# Altium PCB MiniPC.PcbDoc (part 2 of 22) (continued)
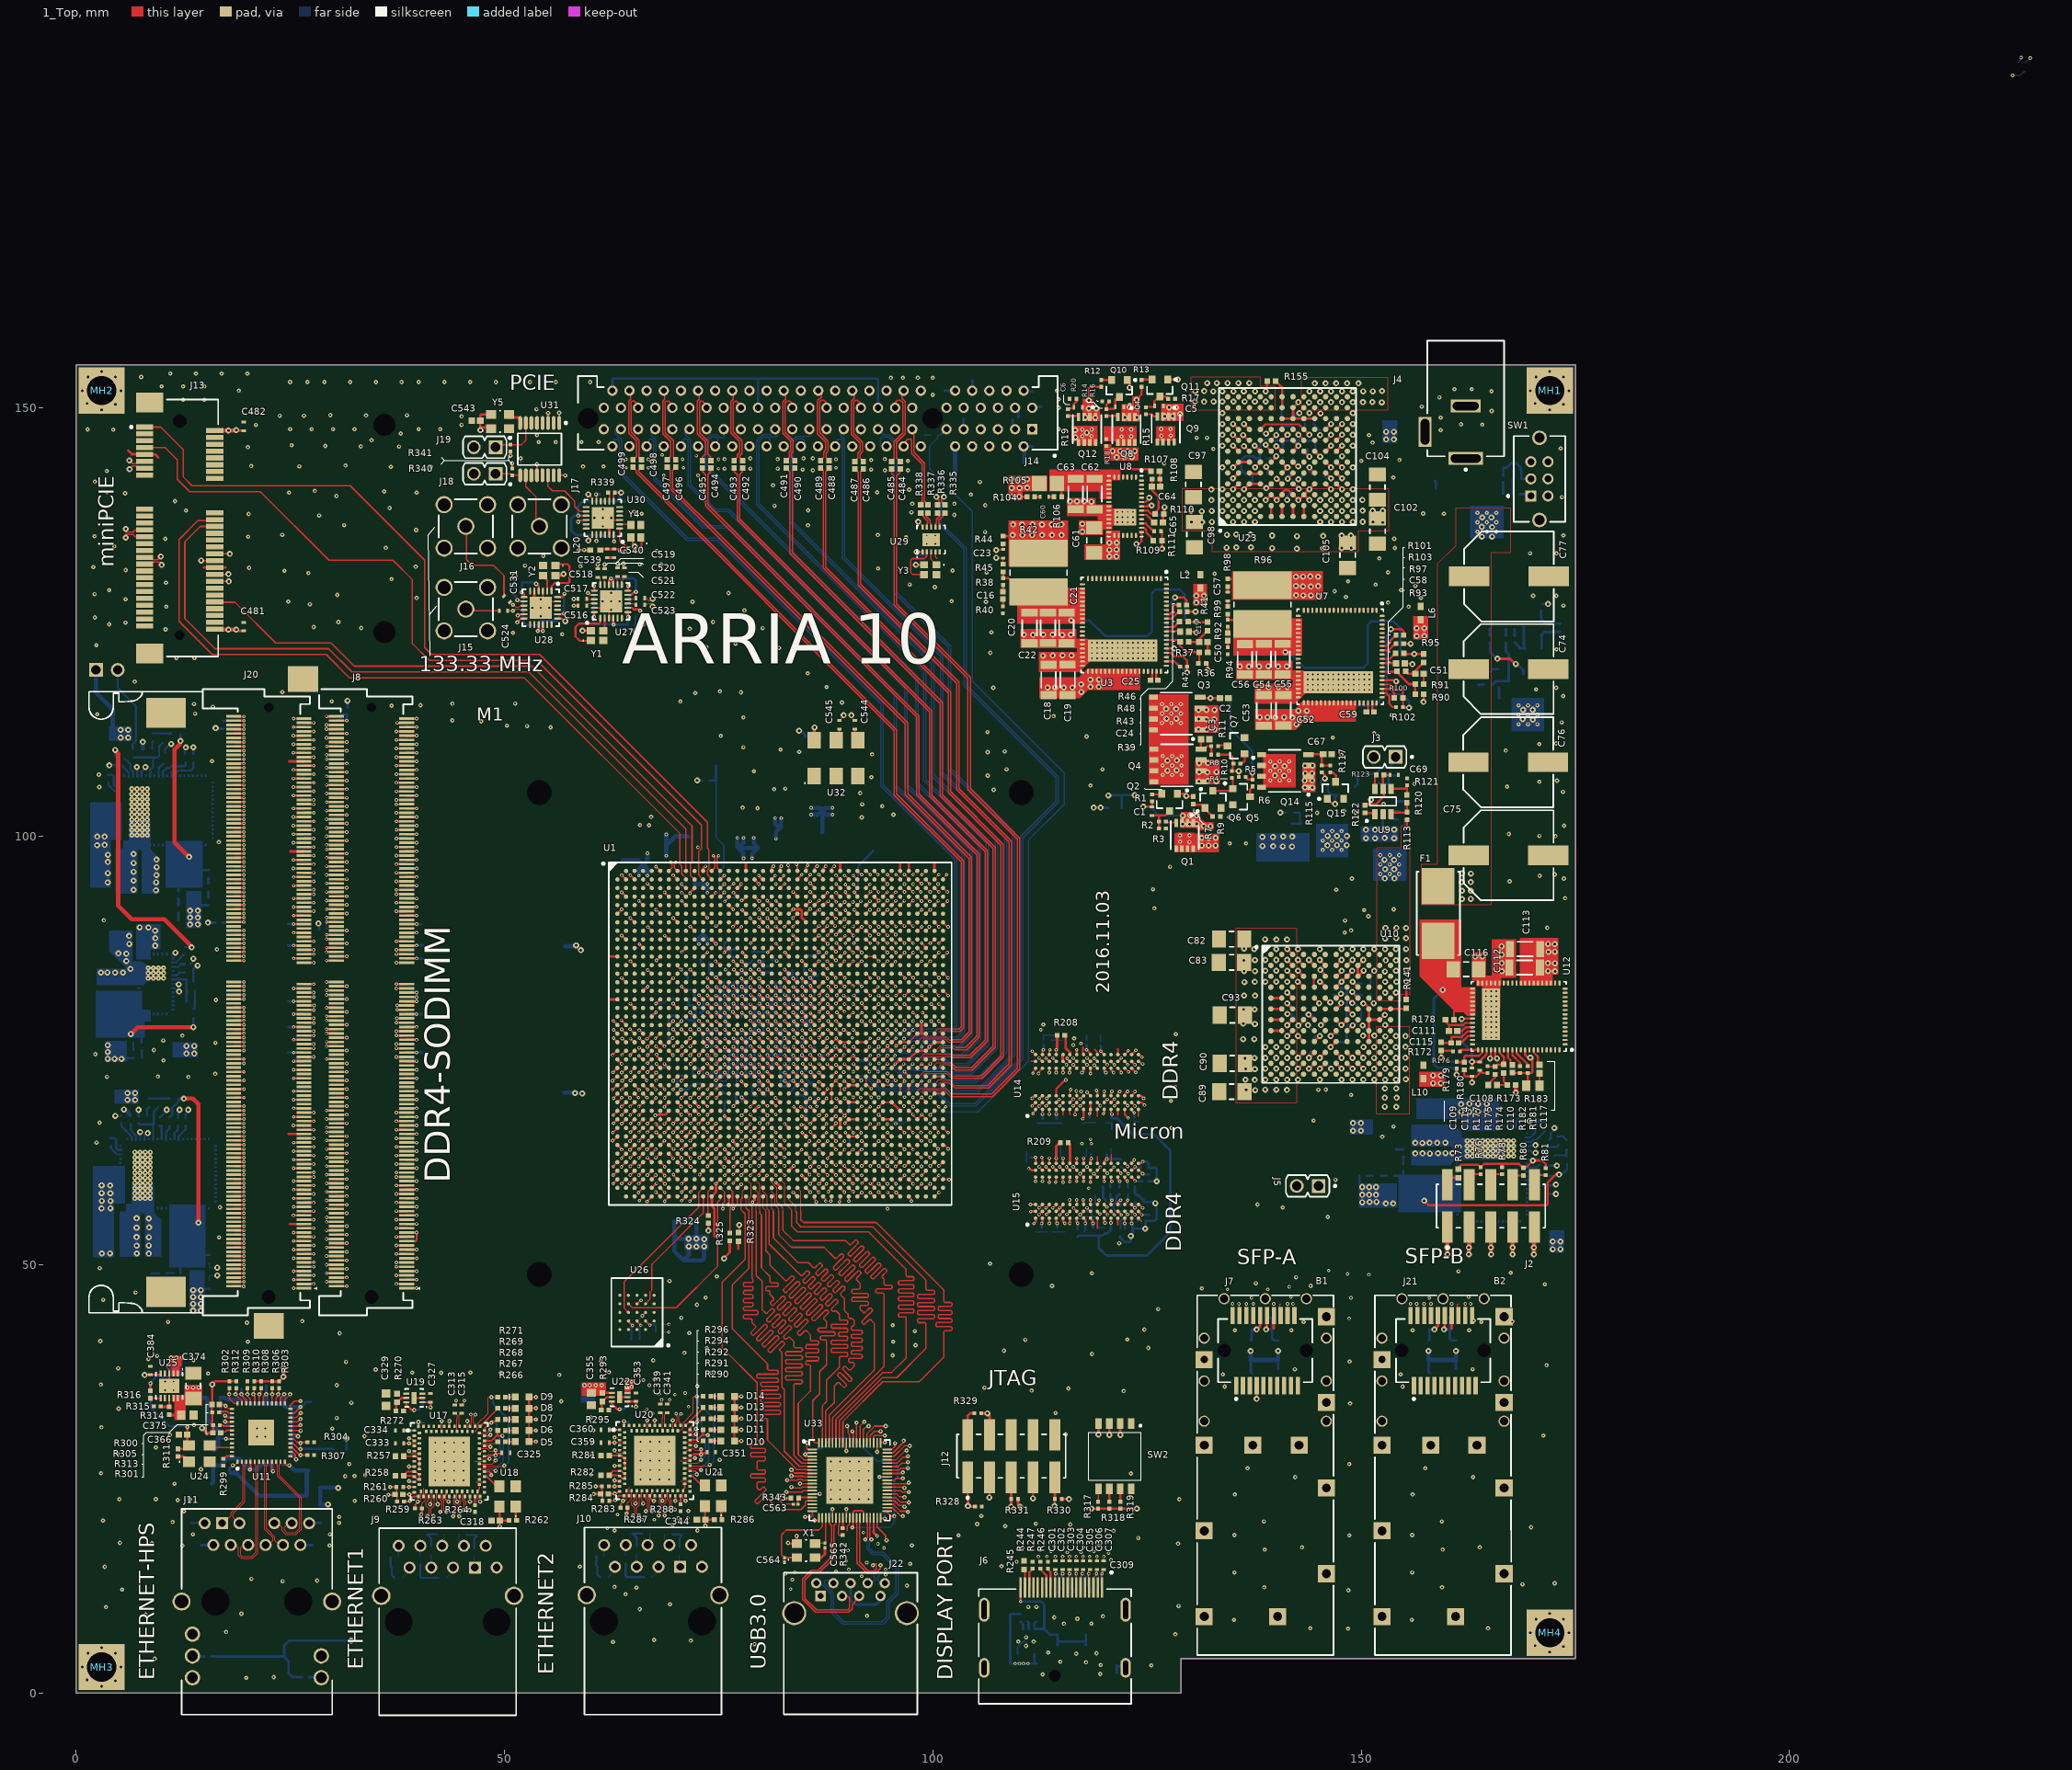
[diagram p0: 1_Top view]
## Components (designator, comment, footprint, x,y, rotation, side; value= is the part's Value field where it differs from the comment) (continued)
C142 "GRM31CR60J107ME39L" CAPC3216X190X55ML30T25 55.625,87.15 r0 bottom locked
C143 "GRM033R60J104KE19D" CAPC0603X33X15LL03T05 79.175,84.425 r270 bottom locked
C144 "GRM033R60J104KE19D" CAPC0603X33X15LL03T05 77.975,82.95 r180 bottom locked
C145 "GRM033R60J104KE19D" CAPC0603X33X15LL03T05 80.1,82.95 r180 bottom locked
C146 "GRM033R60J104KE19D" CAPC0603X33X15LL03T05 80.05,81.975 r180 bottom locked
C147 "GRM31CR60J107ME39L" CAPC3216X190X55ML30T25 72.194,95.939 r270 bottom locked
C148 "GRM31CR60J107ME39L" CAPC3216X190X55ML30T25 68.9,100.4 r270 bottom locked
C149 "GRM31CR60J107ME39L" CAPC3216X190X55ML30T25 79.6,100.1 r270 bottom locked
C150 "GRM31CR60J107ME39L" CAPC3216X190X55ML30T25 77.3,100.1 r270 bottom locked
C151 "GRM31CR60J107ME39L" CAPC3216X190X55ML30T25 68.375,53.375 r0 bottom locked
C152 "GRM31CR60J107ME39L" CAPC3216X190X55ML30T25 71.46,101.45 r270 bottom
C153 "GRM033R60J104KE19D" CAPC0603X33X15LL03T05 73.45,73.95 r0 bottom locked
C154 "GRM033R60J104KE19D" CAPC0603X33X15LL03T05 84.2,73.975 r0 bottom locked
C155 "GRM033R60J104KE19D" CAPC0603X33X15LL03T05 83.075,71.925 r0 bottom locked
C156 "GRM033R60J104KE19D" CAPC0603X33X15LL03T05 85.225,72.85 r90 bottom locked
C157 "GRM033R60J104KE19D" CAPC0603X33X15LL03T05 84.2,72.025 r270 bottom locked
C158 "GRM033R60J104KE19D" CAPC0603X33X15LL03T05 83.2,73.1 r270 bottom locked
C159 "GRM033R60J104KE19D" CAPC0603X33X15LL03T05 79.975,73.975 r180 bottom locked
C160 "GRM033R60J104KE19D" CAPC0603X33X15LL03T05 82.025,75.925 r180 bottom locked
C161 "GRM31CR60J107ME39L" CAPC3216X190X55ML30T25 55.525,70.075 r0 bottom locked
C162 "GRM033R60J104KE19D" CAPC0603X33X15LL03T05 84.175,77.25 r270 bottom locked
C163 "GRM033R60J104KE19D" CAPC0603X33X15LL03T05 79.95,76.925 r180 bottom locked
C164 "GRM033R60J104KE19D" CAPC0603X33X15LL03T05 73.425,76.925 r0 bottom locked
C165 "GRM033R60J104KE19D" CAPC0603X33X15LL03T05 85.225,76.575 r90 bottom locked
C166 "GRM033R60J104KE19D" CAPC0603X33X15LL03T05 83.175,76.675 r90 bottom locked
C167 "GRM033R60J104KE19D" CAPC0603X33X15LL03T05 74.525,76.95 r0 bottom locked
C168 "GRM033R60J104KE19D" CAPC0603X33X15LL03T05 87.55,77.95 r180 bottom locked
C169 "GRM033R60J104KE19D" CAPC0603X33X15LL03T05 87.525,80.95 r180 bottom locked
C170 "GRM033R60J104KE19D" CAPC0603X33X15LL03T05 85.075,82.925 r180 bottom locked
C171 "GRM033R60J104KE19D" CAPC0603X33X15LL03T05 80.975,79.975 r180 bottom locked
C172 "GRM033R60J104KE19D" CAPC0603X33X15LL03T05 85.45,82 r180 bottom locked
C173 "GRM033R60J104KE19D" CAPC0603X33X15LL03T05 80.975,80.925 r180 bottom locked
C174 "GRM033R60J104KE19D" CAPC0603X33X15LL03T05 85.225,79.95 r270 bottom locked
C175 "GRM033R60J104KE19D" CAPC0603X33X15LL03T05 84.2,82.2 r90 bottom locked
C176 "GRM033R60J104KE19D" CAPC0603X33X15LL03T05 81.025,78.975 r180 bottom locked
C177 "GRM033R60J104KE19D" CAPC0603X33X15LL03T05 83.325,77.925 r180 bottom locked
C178 "GRM033R60J104KE19D" CAPC0603X33X15LL03T05 86.4,79 r180 bottom locked
C179 "GRM033R60J104KE19D" CAPC0603X33X15LL03T05 83.275,78.9 r180 bottom locked
C180 "GRM033R60J104KE19D" CAPC0603X33X15LL03T05 87.2,79.575 r90 bottom locked
C181 "GRM033R60J104KE19D" CAPC0603X33X15LL03T05 85.2,78.925 r90 bottom locked
C182 "GRM033R60J104KE19D" CAPC0603X33X15LL03T05 86.175,77.65 r90 bottom locked
C183 "GRM033R60J104KE19D" CAPC0603X33X15LL03T05 84.2,79.025 r90 bottom locked
C184 "GRM033R60J104KE19D" CAPC0603X33X15LL03T05 83.2,81.9 r90 bottom locked
C185 "GRM033R60J104KE19D" CAPC0603X33X15LL03T05 84.6,77.975 r0 bottom locked
C186 "GRM033R60J104KE19D" CAPC0603X33X15LL03T05 88.2,79.625 r90 bottom locked
C187 "GRM033R60J104KE19D" CAPC0603X33X15LL03T05 83.65,80.925 r0 bottom locked
C188 "GRM033R60J104KE19D" CAPC0603X33X15LL03T05 81.95,81.9 r180 bottom locked
C189 "GRM033R60J104KE19D" CAPC0603X33X15LL03T05 87.475,81.95 r180 bottom locked
C190 "GRM033R60J104KE19D" CAPC0603X33X15LL03T05 81.95,82.9 r180 bottom locked
C191 "GRM033R60J104KE19D" CAPC0603X33X15LL03T05 78.95,78.95 r180 bottom locked
C192 "GRM033R60J104KE19D" CAPC0603X33X15LL03T05 86.2,81.25 r270 bottom locked
C193 "GRM033R60J104KE19D" CAPC0603X33X15LL03T05 83.175,83.35 r270 bottom locked
C194 "GRM033R60J104KE19D" CAPC0603X33X15LL03T05 79.975,78.95 r180 bottom locked
C195 "GRM033R60J104KE19D" CAPC0603X33X15LL03T05 83.225,71.075 r90 bottom locked
C196 "GRM033R60J104KE19D" CAPC0603X33X15LL03T05 78.1,75.95 r180 bottom locked
C197 "GRM033R60J104KE19D" CAPC0603X33X15LL03T05 75.15,72.825 r90 bottom locked
C198 "GRM033R60J104KE19D" CAPC0603X33X15LL03T05 73.425,71.875 r0 bottom locked
C199 "GRM033R60J104KE19D" CAPC0603X33X15LL03T05 75.85,71.875 r180 bottom locked
C200 "GRM033R60J104KE19D" CAPC0603X33X15LL03T05 82.225,71.1 r90 bottom locked
C201 "GRM033R60J104KE19D" CAPC0603X33X15LL03T05 86,79.975 r0 bottom locked
C202 "GRM033R60J104KE19D" CAPC0603X33X15LL03T05 85.2,81.2 r90 bottom locked
C203 "GRM033R60J104KE19D" CAPC0603X33X15LL03T05 82.05,77.975 r180 bottom locked
C204 "GRM033R60J104KE19D" CAPC0603X33X15LL03T05 79.175,82.425 r270 bottom locked
C205 "GRM033R60J104KE19D" CAPC0603X33X15LL03T05 77.925,78.95 r180 bottom locked
C206 "GRM033R60J104KE19D" CAPC0603X33X15LL03T05 75.95,80.9 r180 bottom locked
C207 "GRM033R60J104KE19D" CAPC0603X33X15LL03T05 76.925,81.9 r180 bottom locked
C208 "GRM033R60J104KE19D" CAPC0603X33X15LL03T05 77,75.95 r180 bottom locked
C209 "GRM033R60J104KE19D" CAPC0603X33X15LL03T05 78.925,76.925 r180 bottom locked
C210 "GRM033R60J104KE19D" CAPC0603X33X15LL03T05 76.975,74.925 r180 bottom locked
C211 "GRM033R60J104KE19D" CAPC0603X33X15LL03T05 75.875,72.9 r180 bottom locked
C212 "GRM033R60J104KE19D" CAPC0603X33X15LL03T05 76.9,72.925 r180 bottom locked
C213 "GRM033R60J104KE19D" CAPC0603X33X15LL03T05 78.95,72.95 r180 bottom locked
C214 "GRM033R60J104KE19D" CAPC0603X33X15LL03T05 81.025,74.95 r180 bottom locked
C215 "GRM033R60J104KE19D" CAPC0603X33X15LL03T05 87.65,75.925 r180 bottom locked
C216 "GRM033R60J104KE19D" CAPC0603X33X15LL03T05 86.225,75.125 r90 bottom locked
C217 "GRM033R60J104KE19D" CAPC0603X33X15LL03T05 87.55,76.925 r180 bottom locked
C218 "GRM033R60J104KE19D" CAPC0603X33X15LL03T05 74.925,78.925 r180 bottom locked
C219 "GRM033R60J104KE19D" CAPC0603X33X15LL03T05 74.525,75.95 r0 bottom locked
C220 "GRM033R60J104KE19D" CAPC0603X33X15LL03T05 73.7,81.925 r0 bottom locked
C221 "GRM033R60J104KE19D" CAPC0603X33X15LL03T05 74.875,81.925 r180 bottom locked
C222 "GRM033R60J104KE19D" CAPC0603X33X15LL03T05 79.075,75 r180 bottom locked
C223 "GRM033R60J104KE19D" CAPC0603X33X15LL03T05 87.65,71.95 r180 bottom locked
C224 "GRM033R60J104KE19D" CAPC0603X33X15LL03T05 82.025,76.975 r180 bottom locked
C225 "GRM033R60J104KE19D" CAPC0603X33X15LL03T05 76.875,71.9 r180 bottom locked
C226 "GRM033R60J104KE19D" CAPC0603X33X15LL03T05 77.925,72.925 r180 bottom locked
C227 "GRM033R60J104KE19D" CAPC0603X33X15LL03T05 83.2,75.025 r90 bottom locked
C228 "GRM033R60J104KE19D" CAPC0603X33X15LL03T05 87.625,74.925 r180 bottom locked
C229 "GRM033R60J104KE19D" CAPC0603X33X15LL03T05 87.65,73.95 r0 bottom locked
C230 "GRM033R60J104KE19D" CAPC0603X33X15LL03T05 84.375,74.95 r180 bottom locked
C231 "GRM033R60J104KE19D" CAPC0603X33X15LL03T05 73.675,80.95 r0 bottom locked
C232 "GRM033R60J104KE19D" CAPC0603X33X15LL03T05 78.6,80.925 r0 bottom locked
C233 "GRM033R60J104KE19D" CAPC0603X33X15LL03T05 79.925,80.95 r180 bottom locked
C234 "GRM033R60J104KE19D" CAPC0603X33X15LL03T05 73.8,78.975 r0 bottom locked
C235 "GRM033R60J104KE19D" CAPC0603X33X15LL03T05 75.9,82.9 r180 bottom locked
C236 "GRM033R60J104KE19D" CAPC0603X33X15LL03T05 77.9,76.925 r180 bottom locked
C237 "GRM033R60J104KE19D" CAPC0603X33X15LL03T05 74.475,73.95 r0 bottom locked
C238 "GRM033R60J104KE19D" CAPC0603X33X15LL03T05 74.525,71.925 r0 bottom locked
C239 "GRM033R60J104KE19D" CAPC0603X33X15LL03T05 78,74.9 r180 bottom locked
C240 "GRM033R60J104KE19D" CAPC0603X33X15LL03T05 73.45,75.925 r0 bottom locked
C241 "GRM033R60J104KE19D" CAPC0603X33X15LL03T05 74.9,80.925 r180 bottom locked
C242 "GRM033R60J104KE19D" CAPC0603X33X15LL03T05 77.975,81.925 r180 bottom locked
C243 "GRM033R60J104KE19D" CAPC0603X33X15LL03T05 75.9,81.9 r180 bottom locked
C244 "GRM033R60J104KE19D" CAPC0603X33X15LL03T05 73.725,79.95 r0 bottom locked
C245 "GRM033R60J104KE19D" CAPC0603X33X15LL03T05 74.875,79.925 r180 bottom locked
C246 "GRM033R60J104KE19D" CAPC0603X33X15LL03T05 75.95,79.9 r180 bottom locked
C247 "GRM033R60J104KE19D" CAPC0603X33X15LL03T05 76,78.9 r180 bottom locked
C248 "GRM033R60J104KE19D" CAPC0603X33X15LL03T05 75.5,77.925 r0 bottom locked
C249 "GRM033R60J104KE19D" CAPC0603X33X15LL03T05 82.05,74.975 r180 bottom locked
C250 "GRM033R60J104KE19D" CAPC0603X33X15LL03T05 77.9,71.9 r180 bottom locked
C251 "GRM033R60J104KE19D" CAPC0603X33X15LL03T05 78.925,71.95 r180 bottom locked
C252 "GRM033R60J104KE19D" CAPC0603X33X15LL03T05 79.975,72.95 r180 bottom locked
C253 "GRM033R60J104KE19D" CAPC0603X33X15LL03T05 82.2,72.175 r90 bottom locked
C254 "GRM033R60J104KE19D" CAPC0603X33X15LL03T05 84.45,75.95 r180 bottom locked
C255 "GRM033R60J104KE19D" CAPC0603X33X15LL03T05 81.125,72.975 r180 bottom locked
C256 "GRM033R60J104KE19D" CAPC0603X33X15LL03T05 76.925,82.9 r180 bottom locked
C257 "GRM033R60J104KE19D" CAPC0603X33X15LL03T05 76,76.9 r180 bottom locked
C258 "GRM033R60J104KE19D" CAPC0603X33X15LL03T05 74.225,74.908 r0 bottom locked
C259 "GRM033R60J104KE19D" CAPC0603X33X15LL03T05 86.2,72.475 r90 bottom locked
C260 "GRM033R60J104KE19D" CAPC0603X33X15LL03T05 84.2,73.025 r90 bottom locked
C261 "GRM033R60J104KE19D" CAPC0603X33X15LL03T05 87.65,72.9 r180 bottom locked
C262 "GRM033R60J104KE19D" CAPC0603X33X15LL03T05 85.2,74.475 r270 bottom locked
C263 "GRM033R60J104KE19D" CAPC0603X33X15LL03T05 86.45,73.975 r180 bottom locked
C264 "GRM033R60J104KE19D" CAPC0603X33X15LL03T05 112.85,66.75 r90 bottom locked
C265 "GRM033R60J104KE19D" CAPC0603X33X15LL03T05 112.725,54.05 r90 bottom locked
C266 "GRM033R60J104KE19D" CAPC0603X33X15LL03T05 120.9,66.8 r90 bottom locked
C267 "GRM033R60J104KE19D" CAPC0603X33X15LL03T05 117.65,53.625 r270 bottom locked
C268 "GRM033R60J104KE19D" CAPC0603X33X15LL03T05 118.3,66.85 r90 bottom locked
C269 "GRM033R60J104KE19D" CAPC0603X33X15LL03T05 111.2,62.5 r0 bottom locked
C270 "GRM033R60J104KE19D" CAPC0603X33X15LL03T05 112.95,75.9 r270 bottom locked
C271 "GRM033R60J104KE19D" CAPC0603X33X15LL03T05 114.5,54.075 r90 bottom locked
C272 "GRM033R60J104KE19D" CAPC0603X33X15LL03T05 119.6,75.75 r270 bottom locked
C273 "GRM033R60J104KE19D" CAPC0603X33X15LL03T05 118.2,62.9 r0 bottom locked
C274 "GRM033R60J104KE19D" CAPC0603X33X15LL03T05 123.5,66.925 r90 bottom locked
C275 "GRM033R60J104KE19D" CAPC0603X33X15LL03T05 114.65,62.95 r180 bottom locked
C276 "GRM033R60J104KE19D" CAPC0603X33X15LL03T05 114.425,75.9 r270 bottom locked
C277 "GRM033R60J104KE19D" CAPC0603X33X15LL03T05 120.575,62.825 r180 bottom locked
C278 "GRM033R60J104KE19D" CAPC0603X33X15LL03T05 117.95,75.85 r270 bottom locked
C279 "GRM033R60J104KE19D" CAPC0603X33X15LL03T05 118.975,54.3 r180 bottom locked
C280 "GRM033R60J104KE19D" CAPC0603X33X15LL03T05 114.45,66.75 r90 bottom locked
C281 "GRM033R60J104KE19D" CAPC0603X33X15LL03T05 118.325,56.175 r180 bottom locked
C282 "GRM033R60J104KE19D" CAPC0603X33X15LL03T05 120.43,54.3 r0 bottom
C283 "C1005X7R1E104M" CAPC1005X55X10LL05 24.257,89.764 r180 bottom
C284 "C1005X7R1E104M" CAPC1005X55X10LL05 24.257,87.249 r180 bottom
C285 "C1005X7R1E104M" CAPC1005X55X10LL05 24.282,80.721 r180 bottom
C286 "C1005X7R1E104M" CAPC1005X55X10LL05 24.308,77.724 r180 bottom
C287 "C1005X7R1E104M" CAPC1005X55X10LL05 24.282,74.727 r180 bottom
C288 "C1005X7R1E104M" CAPC1005X55X10LL05 30.025,90.4 r270 bottom
C289 "C1005X7R1E104M" CAPC1005X55X10LL05 30.9,113 r270 bottom locked
C290 "C1005X7R1E104M" CAPC1005X55X10LL05 40.792,89.713 r0 bottom
C291 "C1005X7R1E104M" CAPC1005X55X10LL05 40.996,85.674 r0 bottom
C292 "C1005X7R1E104M" CAPC1005X55X10LL05 40.894,74.752 r0 bottom
C293 "C1005X7R1E104M" CAPC1005X55X10LL05 40.818,79.223 r0 bottom
C294 "C1005X7R1E104M" CAPC1005X55X10LL05 40.97,87.249 r0 bottom
C295 "C1005X7R1E104M" CAPC1005X55X10LL05 18.87,89.5 r270 bottom locked
C296 "C1005X7R1E104M" CAPC1005X55X10LL05 18.87,113 r270 bottom locked
C297 "GRM188R61A225KE34x" CAPC1608X90X35ML10T15 112.85,3.4 r0 bottom locked
C298 "C1005X7R1E104M" CAPC1005X55X10LL05 112.05,8.8 r270 bottom locked
C299 "C1005X7R1E104M" CAPC1005X55X10LL05 114.6,5.075 r90 bottom
C300 "C1005X7R1E104M" CAPC1005X55X10LL05 117.85,5.05 r90 bottom
C301 "C1005X7R1E104M" CAPC1005X55X10LL05 114.3,14.9 r270 top
C302 "C1005X7R1E104M" CAPC1005X55X10LL05 115.15,14.9 r270 top
C303 "C1005X7R1E104M" CAPC1005X55X10LL05 115.95,14.9 r270 top
C304 "C1005X7R1E104M" CAPC1005X55X10LL05 116.75,14.9 r270 top
C305 "C1005X7R1E104M" CAPC1005X55X10LL05 117.55,14.9 r270 top
C306 "C1005X7R1E104M" CAPC1005X55X10LL05 118.35,14.9 r270 top
C307 "C1005X7R1E104M" CAPC1005X55X10LL05 119.15,14.9 r270 top
C308 "GRM155R71H472KA01D" CAPC1005X55X25NL05T10 121.05,2.3 r0 bottom locked
C309 "C1005X7R1E104M" CAPC1005X55X10LL05 119.95,14.9 r270 top
C310 "GRM155R71H103KA88D" CAPC1005X55X25ML05T10 46.774,18.912 r90 bottom
C311 "GRM155R71H103KA88D" CAPC1005X55X25ML05T10 40.574,18.512 r180 bottom
C312 "GRM155R71H103KA88D" CAPC1005X55X25ML05T10 40.174,13.012 r270 bottom
C313 "C1005X7R1E104M" CAPC1005X55X10LL05 44.224,33.112 r270 top
C314 "GRM155R71H103KA88D" CAPC1005X55X25ML05T10 36.374,14.612 r180 bottom
C315 "C1005X7R1E104M" CAPC1005X55X10LL05 45.024,33.112 r270 top
C316 "C1005X7R1E104M" CAPC1005X55X10LL05 227.514,189.812 r270 bottom
C317 "C1005X7R1E104M" CAPC1005X55X10LL05 226.689,189.837 r270 bottom
C318 "GRM155R71H103KA88D" CAPC1005X55X25ML05T10 48.974,20.112 r0 top
C319 "C1005X7R1E104M" CAPC1005X55X10LL05 41.074,31.512 r180 bottom
C320 "C1005X7R1E104M" CAPC1005X55X10LL05 39.974,30.312 r90 bottom
C321 "C1005X7R1E104M" CAPC1005X55X10LL05 47.174,30.412 r0 bottom
C322 "C1005X7R1E104M" CAPC1005X55X10LL05 40.074,24.712 r180 bottom
C323 "C1005X7R1E104M" CAPC1005X55X10LL05 43.974,23.312 r270 bottom
C324 "C1005X7R1E104M" CAPC1005X55X10LL05 46.574,23.212 r270 bottom
C325 "C1005X7R1E104M" CAPC1005X55X10LL05 50.174,28.012 r180 top
C326 "C1005X7R1E104M" CAPC1005X55X10LL05 42.674,30.612 r90 bottom
C327 "CGB2A1X5R1E105K033BC" CAPC1005X33X10LL5 41.374,34.412 r270 top
C328 "GRM31CR61E226KE15L" CAPC3216X180X55ML20T25 37.249,34.412 r180 bottom
C329 "GRM188R61A225KE34x" CAPC1608X90X35ML10T15 36.174,34.212 r90 top
C330 "C2012X5R1C106K085AC" CAPC2013X100X20NL20 41.499,34.512 r180 bottom
C331 "C1005X7R1E104M" CAPC1005X55X10LL05 43.574,30.512 r90 bottom
C332 "C1005X7R1E104M" CAPC1005X55X10LL05 47.174,29.512 r0 bottom
C333 "C1005X7R1E104M" CAPC1005X55X10LL05 37.774,29.112 r0 top
C334 "C1005X7R1E104M" CAPC1005X55X10LL05 37.774,30.612 r0 top
C335 "C1005X7R1E104M" CAPC1005X55X10LL05 47.274,25.412 r0 bottom
C336 "GRM155R71H103KA88D" CAPC1005X55X25ML05T10 70.75,19 r90 bottom locked
C337 "GRM155R71H103KA88D" CAPC1005X55X25ML05T10 64.55,18.6 r180 bottom locked
C338 "GRM155R71H103KA88D" CAPC1005X55X25ML05T10 64.15,13.1 r270 bottom locked
C339 "C1005X7R1E104M" CAPC1005X55X10LL05 68.2,33.2 r270 top
C340 "GRM155R71H103KA88D" CAPC1005X55X25ML05T10 60.35,14.7 r180 bottom locked
C341 "C1005X7R1E104M" CAPC1005X55X10LL05 69,33.2 r270 top
C342 "C1005X7R1E104M" CAPC1005X55X10LL05 97.15,67.4 r270 bottom
C343 "C1005X7R1E104M" CAPC1005X55X10LL05 96.325,67.425 r270 bottom
C344 "GRM155R71H103KA88D" CAPC1005X55X25ML05T10 72.95,20.2 r0 top
C345 "C1005X7R1E104M" CAPC1005X55X10LL05 65.05,31.6 r180 bottom locked
C346 "C1005X7R1E104M" CAPC1005X55X10LL05 63.95,30.4 r90 bottom locked
C347 "C1005X7R1E104M" CAPC1005X55X10LL05 71.15,30.5 r0 bottom locked
C348 "C1005X7R1E104M" CAPC1005X55X10LL05 64.05,24.8 r180 bottom locked
C349 "C1005X7R1E104M" CAPC1005X55X10LL05 67.95,23.4 r270 bottom locked
C350 "C1005X7R1E104M" CAPC1005X55X10LL05 70.55,23.3 r270 bottom locked
C351 "C1005X7R1E104M" CAPC1005X55X10LL05 74.15,28.1 r180 top
C352 "C1005X7R1E104M" CAPC1005X55X10LL05 66.65,30.7 r90 bottom locked
C353 "CGB2A1X5R1E105K033BC" CAPC1005X33X10LL5 65.35,34.5 r270 top
C354 "GRM31CR61E226KE15L" CAPC3216X180X55ML20T25 61.225,34.5 r180 bottom locked
C355 "GRM188R61A225KE34x" CAPC1608X90X35ML10T15 60.15,34.3 r90 top
C356 "C2012X5R1C106K085AC" CAPC2013X100X20NL20 65.475,34.6 r180 bottom locked
C357 "C1005X7R1E104M" CAPC1005X55X10LL05 67.55,30.6 r90 bottom locked
C358 "C1005X7R1E104M" CAPC1005X55X10LL05 71.15,29.6 r0 bottom locked
C359 "C1005X7R1E104M" CAPC1005X55X10LL05 61.75,29.2 r0 top
C360 "C1005X7R1E104M" CAPC1005X55X10LL05 61.75,30.7 r0 top
C361 "C1005X7R1E104M" CAPC1005X55X10LL05 71.25,25.5 r0 bottom locked
C362 "GRM155R71H103KA88D" CAPC1005X55X25ML05T10 13.087,19.825 r0 bottom locked
C363 "GRM155R71H103KA88D" CAPC1005X55X25ML05T10 14.087,17.225 r0 bottom locked
C364 "GRM155R71H103KA88D" CAPC1005X55X25ML05T10 28.097,17.225 r180 bottom locked
C365 "GRM155R71H103KA88D" CAPC1005X55X25ML05T10 29.097,19.825 r180 bottom locked
C366 "GRM155R71H103KA88D" CAPC1005X55X25ML05T10 12.497,30.125 r0 top
C367 "GRM31CR61E226KE15L" CAPC3216X180X55ML20T25 13.697,35.825 r270 bottom locked
C368 "GRM188R61A225KE34x" CAPC1608X90X35ML10T15 15.837,29.7 r0 bottom locked
C369 "C1005X7R1E104M" CAPC1005X55X10LL05 18.7,29.65 r180 bottom locked
C370 "C2012X5R1C106K085AC" CAPC2013X100X20NL20 10.597,37.925 r0 bottom locked
C371 "GRM31CR61E226KE15L" CAPC3216X180X55ML20T25 14.397,24.425 r0 bottom locked
C372 "GRM188R61A225KE34x" CAPC1608X90X35ML10T15 22.897,27.425 r270 bottom locked
C373 "C1005X7R1E104M" CAPC1005X55X10LL05 20.297,27.825 r270 bottom locked
C374 "GRM31CR61E226KE15L" CAPC3216X180X55ML20T25 13.687,35.825 r270 top
C375 "GRM188R61A225KE34x" CAPC1608X90X35ML10T15 12.997,32.425 r180 top
C376 "C2012X5R1C106K085AC" CAPC2013X100X20NL20 30.8,23.95 r180 bottom locked
C377 "C2012X5R1C106K085AC" CAPC2013X100X20NL20 29.6,21.95 r180 bottom locked
C378 "GRM31CR61E226KE15L" CAPC3216X180X55ML20T25 28.6,25.95 r180 bottom locked
C379 "GRM188R61A225KE34x" CAPC1608X90X35ML10T15 17.897,24.925 r90 bottom locked
C380 "C1005X7R1E104M" CAPC1005X55X10LL05 24.097,27.125 r270 bottom locked
C381 "GRM31CR61E226KE15L" CAPC3216X180X55ML20T25 28.9,33.95 r180 bottom locked
C382 "GRM188R61A225KE34x" CAPC1608X90X35ML10T15 22.2,36.55 r270 bottom locked
C383 "C1005X7R1E104M" CAPC1005X55X10LL05 18.6,32.25 r180 bottom locked
C384 "CGB2A1X5R1E105K033BC" CAPC1005X33X10LL5 8.697,37.625 r270 top
C385 "GRM31CR61E226KE15L" CAPC3216X180X55ML20T25 28.1,29.95 r270 bottom locked
C386 "GRM188R61A225KE34x" CAPC1608X90X35ML10T15 19.1,31.15 r180 bottom locked
C387 "C1005X7R1E104M" CAPC1005X55X10LL05 19.3,35.95 r90 bottom locked
C388 "C1005X7R1E104M" CAPC1005X55X10LL05 65.3,41.2 r180 bottom locked
C389 "C1005X7R1E104M" CAPC1005X55X10LL05 65.3,42.1 r180 bottom locked
C390 "T520B337M2R5ATE045" KEMT-520-B-2_M 94.52,98.28 r0 bottom
C391 "GRM033R60J104KE19D" CAPC0603X33X15LL03T05 89.8,86.925 r0 bottom locked
C392 "GRM033R60J104KE19D" CAPC0603X33X15LL03T05 89.875,78.925 r0 bottom locked
C393 "GRM033R60J104KE19D" CAPC0603X33X15LL03T05 90.2,77.3 r270 bottom locked
C394 "GRM033R60J104KE19D" CAPC0603X33X15LL03T05 90.2,62.5 r90 bottom locked
C395 "GRM033R60J104KE19D" CAPC0603X33X15LL03T05 91.2,88.5 r90 bottom locked
C396 "GRM033R60J104KE19D" CAPC0603X33X15LL03T05 90.2,81.5 r270 bottom locked
C397 "GRM033R60J104KE19D" CAPC0603X33X15LL03T05 90.2,70.4 r90 bottom locked
C398 "GRM033R60J104KE19D" CAPC0603X33X15LL03T05 90.6,64.9 r180 bottom locked
C399 "GRM033R60J104KE19D" CAPC0603X33X15LL03T05 90.2,90.5 r90 bottom locked
C400 "GRM033R60J104KE19D" CAPC0603X33X15LL03T05 89.8,82.9 r0 bottom locked
C401 "GRM033R60J104KE19D" CAPC0603X33X15LL03T05 90.2,72.5 r90 bottom locked
C402 "GRM033R60J104KE19D" CAPC0603X33X15LL03T05 90.5,66.939 r180 bottom locked
C403 "GRM033R60J104KE19D" CAPC0603X33X15LL03T05 90.2,92.5 r90 bottom locked
C404 "GRM033R60J104KE19D" CAPC0603X33X15LL03T05 90.2,84.5 r90 bottom locked
C405 "GRM033R60J104KE19D" CAPC0603X33X15LL03T05 90.2,74.6 r90 bottom locked
C406 "GRM033R60J104KE19D" CAPC0603X33X15LL03T05 90.5,68.9 r180 bottom locked
C407 "GRM155R60J475ME87D" CAPC1005X55X25LL05T10 91.7,94 r180 bottom locked
C408 "GRM155R60J475ME87D" CAPC1005X55X25LL05T10 92.3,85.5 r270 bottom locked
C409 "GRM155R60J475ME87D" CAPC1005X55X25LL05T10 91.2,76.5 r90 bottom locked
C410 "GRM155R60J475ME87D" CAPC1005X55X25LL05T10 90.6,68 r180 bottom locked
C411 "GRM155R60J475ME87D" CAPC1005X55X25LL05T10 91.8,87 r180 bottom locked
C412 "GRM155R60J475ME87D" CAPC1005X55X25LL05T10 91.2,83.5 r270 bottom locked
C413 "GRM155R60J475ME87D" CAPC1005X55X25LL05T10 91.7,74.9 r180 bottom locked
C414 "GRM155R60J475ME87D" CAPC1005X55X25LL05T10 92.7,63.9 r180 bottom locked
C415 "GRM155R60J475ME87D" CAPC1005X55X25LL05T10 91.8,90.9 r180 bottom locked
C416 "GRM155R60J475ME87D" CAPC1005X55X25LL05T10 91.8,81.8 r180 bottom locked
C417 "GRM155R60J475ME87D" CAPC1005X55X25LL05T10 91.4,73.4 r270 bottom locked
C418 "GRM155R60J475ME87D" CAPC1005X55X25LL05T10 90.7,64 r180 bottom locked
C419 "GRM155R60J475ME87D" CAPC1005X55X25LL05T10 91.75,93 r180 bottom locked
C420 "GRM155R60J475ME87D" CAPC1005X55X25LL05T10 92.3,79.4 r270 bottom locked
C421 "GRM155R60J475ME87D" CAPC1005X55X25LL05T10 89.1,70.5 r90 bottom locked
C422 "GRM155R60J475ME87D" CAPC1005X55X25LL05T10 91.7,62.699 r180 bottom locked
C423 "GRM31CR60J107ME39L" CAPC3216X190X55ML30T25 122.025,106.25 r270 bottom locked
C424 "GRM033R60J104KE19D" CAPC0603X33X15LL03T05 83.15,73.95 r180 bottom
C425 "GRM033R60J104KE19D" CAPC0603X33X15LL03T05 89.2,68.5 r90 bottom locked
C426 "GRM033R60J104KE19D" CAPC0603X33X15LL03T05 75.95,74.875 r180 bottom locked
C427 "GRM033R60J104KE19D" CAPC0603X33X15LL03T05 78,79.95 r180 bottom locked
C428 "GRM033R60J104KE19D" CAPC0603X33X15LL03T05 75.95,73.85 r180 bottom locked
C429 "GRM033R60J104KE19D" CAPC0603X33X15LL03T05 78.95,73.975 r180 bottom locked
C430 "GRM033R60J104KE19D" CAPC0603X33X15LL03T05 77.925,73.95 r180 bottom locked
C431 "GRM033R60J104KE19D" CAPC0603X33X15LL03T05 89.22,88.49 r90 bottom locked
C432 "GRM033R60J104KE19D" CAPC0603X33X15LL03T05 88.8,84.9 r0 bottom locked
C433 "GRM033R60J104KE19D" CAPC0603X33X15LL03T05 89.225,76.45 r90 bottom locked
C434 "GRM033R60J104KE19D" CAPC0603X33X15LL03T05 79.95,71.95 r180 bottom locked
C435 "GRM033R60J104KE19D" CAPC0603X33X15LL03T05 83.2,80.175 r270 bottom locked
C436 "GRM033R60J104KE19D" CAPC0603X33X15LL03T05 84.2,80.15 r270 bottom locked
C437 "GRM033R60J104KE19D" CAPC0603X33X15LL03T05 81.125,73.975 r180 bottom locked
C438 "GRM033R60J104KE19D" CAPC0603X33X15LL03T05 79.075,79.9 r180 bottom locked
C439 "GRM033R60J104KE19D" CAPC0603X33X15LL03T05 82.05,80.925 r180 bottom locked
C440 "GRM033R60J104KE19D" CAPC0603X33X15LL03T05 76.975,79.95 r180 bottom locked
C441 "GRM033R60J104KE19D" CAPC0603X33X15LL03T05 81,77.95 r180 bottom locked
C442 "GRM033R60J104KE19D" CAPC0603X33X15LL03T05 88.7,92.9 r0 bottom locked
C443 "GRM033R60J104KE19D" CAPC0603X33X15LL03T05 89.225,80.5 r90 bottom locked
C444 "GRM033R60J104KE19D" CAPC0603X33X15LL03T05 88.7,64.9 r0 bottom locked
C445 "GRM033R60J104KE19D" CAPC0603X33X15LL03T05 68.2,80.775 r270 bottom locked
C446 "GRM033R60J104KE19D" CAPC0603X33X15LL03T05 66.225,81.97 r90 bottom locked
C447 "GRM033R60J104KE19D" CAPC0603X33X15LL03T05 78.7,62.9 r0 bottom locked
C448 "GRM033R60J104KE19D" CAPC0603X33X15LL03T05 83.2,65.5 r90 bottom locked
C449 "GRM033R60J104KE19D" CAPC0603X33X15LL03T05 81.125,87.425 r270 bottom locked
C450 "GRM033R60J104KE19D" CAPC0603X33X15LL03T05 67.15,78.925 r90 bottom locked
C451 "GRM033R60J104KE19D" CAPC0603X33X15LL03T05 80.7,66.9 r0 bottom locked
C452 "GRM033R60J104KE19D" CAPC0603X33X15LL03T05 84.2,62.5 r90 bottom locked
C453 "GRM033R60J104KE19D" CAPC0603X33X15LL03T05 82.175,89.4 r270 bottom locked
C454 "GRM033R60J104KE19D" CAPC0603X33X15LL03T05 79.95,70.95 r180 bottom locked
C455 "GRM033R60J104KE19D" CAPC0603X33X15LL03T05 80.2,64.525 r90 bottom locked
C456 "GRM033R60J104KE19D" CAPC0603X33X15LL03T05 83.2,60.5 r90 bottom locked
C457 "GRM033R60J104KE19D" CAPC0603X33X15LL03T05 84.225,88.425 r270 bottom locked
C458 "GRM033R60J104KE19D" CAPC0603X33X15LL03T05 79.95,77.925 r180 bottom locked
C459 "GRM033R60J104KE19D" CAPC0603X33X15LL03T05 79.175,78.15 r90 bottom locked
C460 "GRM033R60J104KE19D" CAPC0603X33X15LL03T05 73.175,65.525 r90 bottom locked
C461 "GRM033R60J104KE19D" CAPC0603X33X15LL03T05 75.225,64.5 r90 bottom locked
C462 "GRM033R60J104KE19D" CAPC0603X33X15LL03T05 75.7,66.6 r90 bottom locked
C463 "GRM033R60J104KE19D" CAPC0603X33X15LL03T05 80.225,84.35 r270 bottom locked
C464 "GRM033R60J104KE19D" CAPC0603X33X15LL03T05 78.175,85.4 r270 bottom locked
C465 "GRM033R60J104KE19D" CAPC0603X33X15LL03T05 87.2,63.6 r90 bottom locked
C466 "GRM033R60J104KE19D" CAPC0603X33X15LL03T05 86.2,67.2 r270 bottom locked
C467 "GRM033R60J104KE19D" CAPC0603X33X15LL03T05 85.6,61.9 r0 bottom locked
C468 "GRM033R60J104KE19D" CAPC0603X33X15LL03T05 87.175,88.5 r90 bottom locked
C469 "GRM033R60J104KE19D" CAPC0603X33X15LL03T05 86.225,91.5 r90 bottom locked
C470 "GRM033R60J104KE19D" CAPC0603X33X15LL03T05 86.175,86.425 r270 bottom locked
C471 "GRM033R60J104KE19D" CAPC0603X33X15LL03T05 67.225,68.475 r90 bottom locked
C472 "GRM033R60J104KE19D" CAPC0603X33X15LL03T05 67.225,73.5 r270 bottom locked
C473 "GRM033R60J104KE19D" CAPC0603X33X15LL03T05 71.2,66.425 r90 bottom locked
C474 "GRM033R60J104KE19D" CAPC0603X33X15LL03T05 68.15,66.475 r270 bottom locked
C475 "GRM033R60J104KE19D" CAPC0603X33X15LL03T05 66.219,77.45 r270 bottom locked
C476 "GRM033R60J104KE19D" CAPC0603X33X15LL03T05 68.253,76.35 r270 bottom locked
C477 "GRM033R60J104KE19D" CAPC0603X33X15LL03T05 68.425,72.925 r0 bottom locked
C478 "GRM033R60J104KE19D" CAPC0603X33X15LL03T05 70.15,69.475 r90 bottom locked
C479 "GRM033R60J104KE19D" CAPC0603X33X15LL03T05 70.2,64.5 r90 bottom locked
C480 "GRM033R60J104KE19D" CAPC0603X33X15LL03T05 78.175,84.25 r270 bottom locked
C481 "C1005X7R1E104M" CAPC1005X55X10LL05 19.583,124.46 r270 top
C482 "C1005X7R1E104M" CAPC1005X55X10LL05 19.583,147.828 r90 top
C483 "C1005X7R1E104M" CAPC1005X55X10LL05 101.4,152.5 r270 bottom locked
C484 "GRM155R61A224KE19D" CAPC1005X55X25NL05T10 96.2,143.3 r90 top
C485 "GRM155R61A224KE19D" CAPC1005X55X25NL05T10 95.2,143.3 r90 top
C486 "GRM155R61A224KE19D" CAPC1005X55X25NL05T10 91.9,143.3 r90 top
C487 "GRM155R61A224KE19D" CAPC1005X55X25NL05T10 90.9,143.3 r90 top
C488 "GRM155R61A224KE19D" CAPC1005X55X25NL05T10 87.9,143.4 r90 top
C489 "GRM155R61A224KE19D" CAPC1005X55X25NL05T10 86.9,143.4 r90 top
C490 "GRM155R61A224KE19D" CAPC1005X55X25NL05T10 83.9,143.4 r90 top
C491 "GRM155R61A224KE19D" CAPC1005X55X25NL05T10 82.9,143.4 r90 top
C492 "GRM155R61A224KE19D" CAPC1005X55X25NL05T10 77.8,143.4 r90 top
C493 "GRM155R61A224KE19D" CAPC1005X55X25NL05T10 76.8,143.4 r90 top
C494 "GRM155R61A224KE19D" CAPC1005X55X25NL05T10 74.1,143.4 r90 top
C495 "GRM155R61A224KE19D" CAPC1005X55X25NL05T10 73.1,143.4 r90 top
C496 "GRM155R61A224KE19D" CAPC1005X55X25NL05T10 70,143.5 r90 top
C497 "GRM155R61A224KE19D" CAPC1005X55X25NL05T10 69,143.5 r90 top
C498 "GRM155R61A224KE19D" CAPC1005X55X25NL05T10 66,143.5 r90 top
C499 "GRM155R61A224KE19D" CAPC1005X55X25NL05T10 65,143.5 r90 top
C500 "GRM31CR61E226KE15L" CAPC3216X180X55ML20T25 109.2,143.6 r0 bottom locked
C501 "C1005X7R1E104M" CAPC1005X55X10LL05 108.8,148.6 r0 bottom locked
C502 "C1005X7R1E104M" CAPC1005X55X10LL05 110.5,148.9 r180 bottom locked
C503 "C1005X7R1E104M" CAPC1005X55X10LL05 113.2,150.1 r180 bottom locked
C504 "C1005X7R1E104M" CAPC1005X55X10LL05 112.1,145.5 r180 bottom locked
C505 "C1005X7R1E104M" CAPC1005X55X10LL05 112.1,151.9 r180 bottom locked
C506 "C1005X7R1E104M" CAPC1005X55X10LL05 104.1,153.2 r0 bottom locked
C507 "C1005X7R1E104M" CAPC1005X55X10LL05 103.1,148.7 r0 bottom locked
C508 "C1005X7R1E104M" CAPC1005X55X10LL05 103.1,142 r180 bottom locked
C509 "GRM31CR60J107ME39L" CAPC3216X190X55ML30T25 104.1,143.6 r180 bottom locked
C510 "C1005X7R1E104M" CAPC1005X55X10LL05 64.15,128.2 r180 bottom locked
C511 "C1005X7R1E104M" CAPC1005X55X10LL05 63.8,126.25 r180 bottom locked
C512 "C1005X7R1E104M" CAPC1005X55X10LL05 63.05,129.4 r0 bottom locked
C513 "C1005X7R1E104M" CAPC1005X55X10LL05 60.95,128.2 r0 bottom locked